# Altium PCB POWER.PcbDoc (part 2 of 2)
Units mm, origin at the board's own origin, x right, y up, seen from the top; angles counter-clockwise.
Board outline 100 x 45.99 mm, 4 copper layers (Top Layer, GND, Power, Bottom Layer), stack 1.548 mm thick; 81 components, 50 nets, 297 pads, 478 vias.
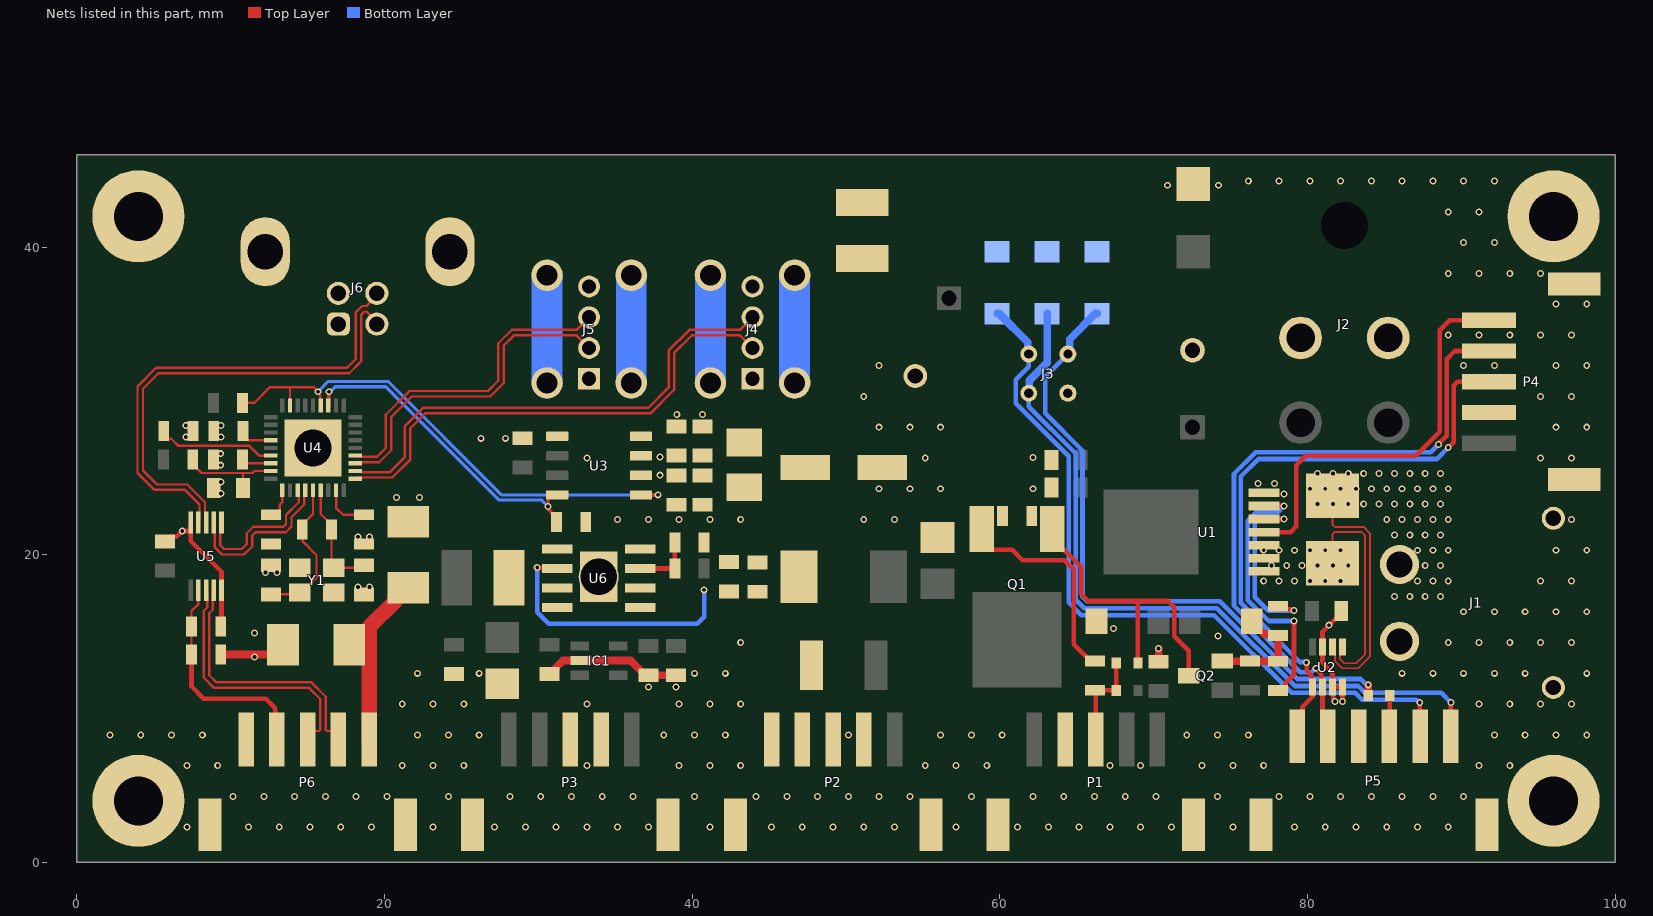
[diagram p4: the nets of this part, all layers, seen from the top]

## Via types
v1: diameter 0.45, hole 0.25, Top Layer to Bottom Layer, tented both sides, 283 vias
v2: diameter 0.45, hole 0.25, Top Layer to Bottom Layer, 195 vias

## Nets (pads, with @x,y where several pads share a name; then routed paths per layer and width w, separated by ;. In a path a pad name is that pad's centre, name@x,y a point inside that pad or via, vN(x,y) a via of type N, cw(c..) or ccw(c..) an arc to the next point about the centre after c; other vN are vias at no path point) (continued)
GND: C1.2 C2.2 C3.2 C4.2 C5.2 C6.2 C7.2 C8.2 C9.2 C10.2 C11.2 C12.2 C13.2 C14.2 C15.1 C16.1 C17.1 C18.1 C19.2 C20.2 C21.2 C22.2 C23.2 C24.2 C25.2 D1.2 D4.2 D5.2 D7.2 D8.2 D9.2 IC1.2 J1.2 J1.3 J1.4 J2.3 J2.4 J3.1 J4.4 J5.4 J6.4 P1.2 P1.MP1 P1.MP2 P2.3 P2.4 P2.MP1 P2.MP2 P3.3 P3.4 P3.MP1 P3.MP2 P4.2 P4.MP1 P4.MP2 P5.3 P5.MP1 P5.MP2 P6.1 P6.MP1 P6.MP2 pad. Q2.2 R2.1 R3.1 R6.1 R7.1 R10.1 R11.1 R13.1 R14.1 R15.1 R17.1 R19.2 U1.7 U2.3 U2.7 U2.8 U3.1 U4.37 U5.5 U5.10 U6.4 U6.5 U6.8 U6.9 Y1.2 Y1.4 | length 35.3
  Top Layer w0.3: C18.1@5.725,20.875 6.025,21.175 6.475,21.175 v1(6.85,21.55) U5.10@7.4,21.55 ; U5.10@7.4,22.1 U5.10@7.4,21.55 ; R17.1@9.35,15.35 9.4,15.4 U5.5@9.4,17.7 9.4,18.9 7.4,20.9 U5.10@7.4,21.55 ; v1(81.8,10.475) 81.675,10.6 81.675,11.35 U2.7@81.625,11.4 ; C1.2@82.2,16.35 82.2,16.15 81.9,15.85 81.825,15.85 80.975,15 U2.3@80.975,14 80.975,12.987 81.625,12.337 U2.7@81.625,11.4 ; v1(82.275,10.475) U2.8@82.275,11.4 U2.7@81.625,11.4
  Top Layer w0.5: C2.2@30.725,12.25 30.925,12.25 31.125,12.45 31.125,12.65 31.6,13.125 IC1.2@32.7,13.125 36,13.125 36.95,12.175 C4.2@37.15,12.175 C3.2@38.95,12.175 ; C8.2@70.325,13.05 v1(70.325,13.9) ; Q2.2@74.475,13.1 74.487,13.088 78.087,13.088 R3.1@78.1,13.075 R2.1@78.1,14.75 78,14.85 77.19,14.85 76.935,15.105 76.815,15.105 76.365,15.555 D4.2@76.365,15.675
  other v1: 37.15,11.4 38.95,11.4 74.175,14.725 67.4,15.2 81.4,15.425 18.267,17.9 19.017,17.9 12.258,18.85 13.008,18.85 18.267,21.175 19.017,21.175 78.475,23.95 9.375,23.983 76.775,24.625 77.85,24.625 9.375,24.733 9.35,25.825 62.15,26.325 9.35,26.575 26.275,27.575 27.875,27.575 7.075,27.65 9.375,27.667 7.075,28.4 9.375,28.417 39,29.125 40.675,29.125 70.9,44.025 74.225,44.025
  other v2: 7.154,2.297 11.154,2.297 13.154,2.297 15.154,2.297 17.154,2.297 19.154,2.297 23.154,2.297 27.154,2.297 29.154,2.297 31.154,2.297 33.154,2.297 35.154,2.297 37.154,2.297 41.154,2.297 45.154,2.297 47.154,2.297 49.154,2.297 51.154,2.297 53.154,2.297 57.154,2.297 61.154,2.297 63.154,2.297 65.154,2.297 67.154,2.297 69.154,2.297 71.154,2.297 75.154,2.297 79.154,2.297 81.154,2.297 83.154,2.297 85.154,2.297 87.154,2.297 89.154,2.297 10.154,4.297 12.154,4.297 14.154,4.297 16.154,4.297 18.154,4.297 20.154,4.297 24.154,4.297 28.154,4.297 30.154,4.297 32.154,4.297 34.154,4.297 36.154,4.297 40.154,4.297 44.154,4.297 46.154,4.297 48.154,4.297 50.154,4.297 52.154,4.297 54.154,4.297 58.154,4.297 62.154,4.297 64.154,4.297 66.154,4.297 68.154,4.297 70.154,4.297 74.154,4.297 78.154,4.297 80.154,4.297 82.154,4.297 84.154,4.297 86.154,4.297 88.154,4.297 90.154,4.297 7.154,6.297 9.154,6.297 21.154,6.297 23.154,6.297 25.154,6.297 33.154,6.297 39.154,6.297 41.154,6.297 43.154,6.297 55.154,6.297 57.154,6.297 59.154,6.297 67.154,6.297 69.154,6.297 73.154,6.297 75.154,6.297 77.154,6.297 91.154,6.297 93.154,6.297 2.154,8.297 4.154,8.297 6.154,8.297 8.154,8.297 22.154,8.297 24.154,8.297 26.154,8.297 38.154,8.297 40.154,8.297 42.154,8.297 50.154,8.297 56.154,8.297 58.154,8.297 60.154,8.297 72.154,8.297 74.154,8.297 76.154,8.297 92.154,8.297 94.154,8.297 96.154,8.297 98.154,8.297 21.154,10.297 23.154,10.297 25.154,10.297 33.154,10.297 39.154,10.297 41.154,10.297 43.154,10.297 91.154,10.297 93.154,10.297 95.154,10.297 97.154,10.297 22.154,12.297 26.154,12.297 40.154,12.297 42.154,12.297 86.154,12.297 88.154,12.297 90.154,12.297 92.154,12.297 94.154,12.297 98.154,12.297 43.154,14.297 89.154,14.297 91.154,14.297 93.154,14.297 95.154,14.297 97.154,14.297 90.154,16.297 92.154,16.297 94.154,16.297 96.154,16.297 98.154,16.297 95.154,18.297 97.154,18.297 96.154,20.297 98.154,20.297 35.154,22.297 37.154,22.297 39.154,22.297 41.154,22.297 43.154,22.297 51.154,22.297 53.154,22.297 97.154,22.297 52.154,24.297 54.154,24.297 56.154,24.297 62.154,24.297 33.154,26.297 55.154,26.297 95.154,26.297 97.154,26.297 52.154,28.297 54.154,28.297 56.154,28.297 96.154,28.297 98.154,28.297 51.154,30.297 95.154,30.297 97.154,30.297 52.154,32.297 90.154,32.297 92.154,32.297 96.154,32.297 98.154,32.297 89.154,34.297 91.154,34.297 93.154,34.297 95.154,34.297 97.154,34.297 96.154,36.297 98.154,36.297 89.154,38.297 91.154,38.297 93.154,38.297 95.154,38.297 90.154,40.297 92.154,40.297 89.154,42.297 91.154,42.297 76.154,44.297 78.154,44.297 80.154,44.297 82.154,44.297 84.154,44.297 86.154,44.297 88.154,44.297 90.154,44.297 92.154,44.297
KEY_DASH: D9.1 J3.4 P5.6 | length 49.7
  Top Layer w0.3: P5.6@89.325,8.2 v1(89.325,10.4)
  Bottom Layer w0.3: J3.4@61.885,30.51 61.885,29.626 64.925,26.586 64.925,17.089 65.489,16.525 74.111,16.525 79.161,11.475 83.283,11.475 83.733,11.025 88.7,11.025 v1(89.325,10.4)
  Bottom Layer w0.5: J3.4@61.885,30.51 61.904,30.529 61.904,31.329 63.075,32.5 D9.1@63.075,35.685
KEY_DOT: D8.1 J3.3 P5.5 | length 49.2
  Top Layer w0.3: v1(87.3,10.4) 87.3,8.225 P5.5@87.325,8.2
  Bottom Layer w0.3: J3.3@61.885,33.05 61.885,32.235 61.035,31.385 61.035,29.84 64.475,26.4 64.475,16.902 65.302,16.075 73.925,16.075 78.975,11.025 83.096,11.025 83.546,10.575 87.084,10.575 87.259,10.4 v1(87.3,10.4)
  Bottom Layer w0.5: D8.1@59.825,35.685 59.945,35.685 61.813,33.817 61.813,33.122 J3.3@61.885,33.05
NetC15_2: C15.2 R9.2 U4.33 Y1.1 | length 7.4
  Top Layer w0.153: U4.33@15.85,24.2 15.85,22.65 16.55,21.95 R9.2@16.55,21.65 16.55,19.3 Y1.1@16.7,19.15 18.475,19.15 C15.2@18.65,19.325
NetC16_2: C16.2 R9.1 U4.32 Y1.3 | length 9.8
  Top Layer w0.153: C16.2@12.625,17.425 14.375,17.425 Y1.3@14.5,17.55 14.6,17.55 15.575,18.525 15.575,19.975 14.69,20.86 14.69,21.61 R9.1@14.65,21.65 14.65,21.95 15.35,22.65 U4.32@15.35,24.2
NetC17_2: C17.2 R12.1 U4.26 | length 6.7
  Top Layer w0.153: R12.1@7.525,26.192 7.525,25.892 8.102,25.315 10.76,25.315 ; C17.2@10.8,24.35 10.8,25.275 10.76,25.315 ; U4.26@12.6,25.45 11.55,25.45 11.415,25.315 10.76,25.315
NetC22_1: C22.1 C24.1 C25.1 L1.2 U6.1 U6.2 U6.6 | length 17.3
  Top Layer w0.3: v1(29.925,19.175) 29.954,19.146 31.189,19.146 U6.6@31.225,19.11
  Bottom Layer w0.3: v1(29.925,19.175) 29.925,16.275 30.675,15.525 40.339,15.525 40.775,15.961 v1(40.775,17.725)
NetD2_2: D2.2 Q1.1 Q2.3 R5.1 | length 20.5
  Top Layer w0.3: Q1.1@63.415,21.675 63.415,21.079 65.275,19.219 65.275,17.476 65.751,17 68.975,17 ; D2.2@69.125,12.825 D2.2@68.975,12.975 68.975,17 ; Q2.3@72.275,12.15 72.275,13.775 71.335,14.715 71.335,16.599 70.934,17 68.975,17
NetD6_1: D6.1 D7.1 J3.2 | length 42.8
  Top Layer w0.3: D6.1@83.8,10.7 D6.1@83.95,10.85
  Top Layer w0.5: D6.1@83.95,10.85 v1(83.95,11.55)
  Top Layer w1: J3.2@64.425,33.023 J3.2@64.425,33.05
  Bottom Layer w0.3: J3.2@64.425,33.05 62.95,31.575 62.95,29.198 65.375,26.773 65.375,17.275 65.675,16.975 74.298,16.975 79.348,11.925 83.469,11.925 83.769,11.625 83.834,11.625 83.909,11.55 v1(83.95,11.55)
  Bottom Layer w0.5: J3.2@64.425,33.05 64.54,33.165 64.54,34.02 66.205,35.685 D7.1@66.325,35.685
NetF1_2: F1.2 P2.1 P2.2
NetF2_2: F2.2 Q1.3 R4.2 R5.2 | length 14.2
  Top Layer w0.3: Q1.3@58.835,21.675 58.835,20.975 59.485,20.325 60.8,20.325 61.475,19.65 64.2,19.65 64.8,19.05 64.8,14.175 65.875,13.1 R4.2@66.175,13.1
NetL2_1: L2.1 U6.7
NetP6_2: P6.2 R16.1 R17.2 U5.2 | length 14.5
  Top Layer w0.153: R16.1@7.45,13.525 R17.2@7.45,15.35 7.45,16.35 7.9,16.8 U5.2@7.9,17.7
  Top Layer w0.3: R16.1@7.45,13.525 7.45,11.45 8.25,10.65 12.275,10.65 12.901,10.024 12.901,8.099 P6.2@13,8
NetR2_2: R2.2 U1.5 | length 12.2
  Top Layer w0.3: U1.5@77.178,22.325 v1(78.475,22.325) ; R2.2@78.1,16.65 78.3,16.45 79.009,16.45 79.084,16.375 v1(79.125,16.375)
  Bottom Layer w0.3: v1(78.475,22.325) 76.861,22.325 76.575,22.039 76.575,17.243 77.443,16.375 v1(79.125,16.375)
NetR3_2: R3.2 U1.6 | length 17.9
  Top Layer w0.3: U1.6@77.178,23.175 v1(78.475,23.175) ; R3.2@78.1,11.175 78.4,11.175 78.6,11.375 78.6,11.675 79.125,12.2 v1(79.125,15.7)
  Bottom Layer w0.3: v1(78.475,23.175) 78.075,22.775 76.675,22.775 76.125,22.225 76.125,17.057 77.482,15.7 v1(79.125,15.7)
NetR10_2: R10.2 U4.35 | length 3.1
  Top Layer w0.153: U4.35@16.85,24.2 16.85,23.05 17.3,22.6 R10.2@18.65,22.6
NetR11_2: R11.2 U4.25 | length 1.9
  Top Layer w0.153: R11.2@10.775,26.192 11.017,25.95 U4.25@12.6,25.95
NetR13_2: R13.2 U4.24 | length 7.7
  Top Layer w0.153: R13.2@5.65,28.033 5.65,27.817 5.923,27.543 6.14,27.543 6.583,27.1 11.187,27.1 11.837,26.45 U4.24@12.6,26.45
NetR14_2: R14.2 U4.22 | length 2.2
  Top Layer w0.153: R14.2@10.8,28.033 10.8,27.733 11.083,27.45 U4.22@12.6,27.45
NetR15_2: R15.2 U4.28 | length 2.1
  Top Layer w0.153: R15.2@12.625,22.6 12.925,22.6 13.199,22.874 13.199,23.274 13.35,23.426 U4.28@13.35,24.2
NetR18_2: R18.2 R19.1 U6.3 | length 4
  Top Layer w0.3: U6.3@36.625,19.11 38.865,19.11 R18.2@38.875,19.1 R19.1@38.875,20.8
PA_CUR_N: J1.1 R1.2 U2.2 | length 16.3
  Top Layer w0.122: U2.2@81.625,14 81.787,13.838 81.787,13.102 82.265,12.625 83.3,12.625 84.075,13.4 84.075,21.385 83.98,21.48 83.648,21.813 81.775,21.813 81.625,21.963 R1.2@81.625,23.85
  other v1: 85.654,17.297 86.654,17.297 87.654,17.297 88.654,17.297 87.154,18.297 88.154,18.297 89.154,18.297 87.654,19.297 88.654,19.297 87.154,20.297 88.154,20.297 89.154,20.297 85.654,21.297 86.654,21.297 87.654,21.297 88.654,21.297 85.154,22.297 86.154,22.297 87.154,22.297 88.154,22.297 89.154,22.297 80.654,23.297 81.654,23.297 82.654,23.297 83.654,23.297 84.654,23.297 85.654,23.297 86.654,23.297 87.654,23.297 88.654,23.297 80.154,24.297 81.154,24.297 82.154,24.297 83.154,24.297 84.154,24.297 85.154,24.297 86.154,24.297 87.154,24.297 88.154,24.297 89.154,24.297 80.654,25.297 81.654,25.297 82.654,25.297 83.654,25.297 84.654,25.297 85.654,25.297 86.654,25.297 87.654,25.297 88.654,25.297
PA_CUR_P: R1.1 U1.1 U1.2 U1.3 U2.1 | length 14.7
  Top Layer w0.122: R1.1@81.625,19.45 81.625,21.337 81.775,21.487 83.513,21.487 83.75,21.25 83.75,13.535 83.165,12.95 82.4,12.95 82.113,13.237 82.113,13.838 U2.1@82.275,14
  other v1: 77.154,18.297 78.154,18.297 79.154,18.297 80.154,18.297 81.154,18.297 82.154,18.297 77.654,19.297 78.654,19.297 79.654,19.297 80.654,19.297 81.654,19.297 82.654,19.297 77.154,20.297 78.154,20.297 79.154,20.297 80.154,20.297 81.154,20.297 82.154,20.297
PA_CURRENT_SCL: P4.3 P5.1 U2.5 | length 40.3
  Top Layer w0.3: P5.1@79.325,8.2 79.675,8.55 79.675,10.125 80.325,10.775 U2.5@80.325,11.4 80.25,11.475 80.25,12.175 79.954,12.471 79.954,12.971 v1(79.925,13) ; v1(89.15,26.975) 89.5,27.325 89.5,31 89.75,31.25 P4.3@91.8,31.25
  Bottom Layer w0.3: v1(79.925,13) 79.954,13.029 79.517,13.029 75.675,16.871 75.675,25.089 76.811,26.225 88.4,26.225 v1(89.15,26.975)
PA_CURRENT_SDA: P4.4 P5.2 U2.6 | length 43.4
  Top Layer w0.3: v1(80.55,12.625) 80.55,12.584 80.9,12.234 80.9,11.475 U2.6@80.975,11.4 80.975,8.55 P5.2@81.325,8.2 ; v1(88.509,27.166) 88.509,27.207 89.05,27.748 89.05,32.724 89.576,33.25 P4.4@91.8,33.25
  Bottom Layer w0.3: v1(80.55,12.625) 80.509,12.625 80.259,12.375 79.534,12.375 75.225,16.684 75.225,25.275 76.625,26.675 88.017,26.675 v1(88.509,27.166)
PA_POWER_ON: P4.5 U1.4 | length 26.5
  Top Layer w0.3: U1.4@77.178,21.475 78.9,21.475 79.275,21.85 79.275,25.825 79.9,26.45 87.05,26.45 88.6,28 88.6,34.599 89.251,35.25 P4.5@91.8,35.25
POWER_SW: D2.1 D3.1 P1.3 R4.1 | length 6.4
  Top Layer w0.3: R4.1@66.175,11.2 R4.1@66.188,11.188 ; P1.3@66.244,8 66.244,11.131 R4.1@66.188,11.188 ; D2.1@67.575,12.975 D3.1@67.575,11.175 67.562,11.188 R4.1@66.188,11.188
PTT: D6.2 P5.4 | length 2.7
  Top Layer w0.3: P5.4@85.325,8.2 85.35,8.225 D6.2@85.35,10.85
SHIELD: C19.1 J4.5 J4.6 J4.7 J4.8 J5.5 J5.6 J5.7 J5.8 J6.5 J6.6 | length 28
  Bottom Layer w2: J5.6@30.565,31.175 J5.8@30.565,38.175 ; J5.5@36.035,31.175 J5.7@36.035,38.175 ; J4.6@41.19,31.175 J4.8@41.19,38.175 ; J4.5@46.66,31.175 J4.7@46.66,38.175
USB_HUB_EN: R7.2 U3.4 U4.12 | length 21
  Top Layer w0.2: U4.12@16.35,29.7 16.375,29.725 16.375,30.575 v1(16.4,30.6) ; R7.2@31.175,22.125 31.175,22.425 30.673,22.927 30.673,23.102 v1(30.625,23.15) 30.638,23.163 30.638,23.695 30.838,23.895 U3.4@31.225,23.895
  Bottom Layer w0.2: v1(16.4,30.6) 16.468,30.6 16.793,30.925 20.075,30.925 27.45,23.55 30.225,23.55 v1(30.625,23.15)
USB_HUB_FAULT: R8.2 U3.5 U4.13 U4.17 | length 34.2
  Top Layer w0.153: R8.2@10.775,29.875 11.525,29.875 12.55,30.9 13.85,30.9 ; U4.17@13.85,29.7 13.85,30.9 ; U4.13@15.85,29.7 15.815,29.735 15.815,30.38 15.675,30.52 v1(15.675,30.6) 15.375,30.9 13.85,30.9
  Top Layer w0.2: U3.5@36.675,23.895 36.677,23.897 37.772,23.897 v1(37.775,23.9)
  Bottom Layer w0.2: v1(15.675,30.6) 16.35,31.275 20.22,31.275 27.595,23.9 v1(37.775,23.9)
USB_N: P6.4 U5.4 | length 17.1
  Top Layer w0.153: U5.4@8.9,17.7 8.828,17.628 8.828,16.424 8.602,16.198 8.602,12.173 9.069,11.706 15.244,11.706 16.178,10.772 16.178,8.638 16.268,8.548 16.577,8.548 17,8.124 P6.4@17,8
USB_P: P6.3 U5.3 | length 17.1
  Top Layer w0.153: U5.3@8.4,17.7 8.472,17.628 8.472,16.572 8.246,16.346 8.246,12.025 8.921,11.35 15.096,11.35 15.822,10.624 15.822,8.638 15.732,8.548 15.423,8.548 15,8.124 P6.3@15,8
USB_VBUS: D10.1 D11.1 P6.5 | length 11.1
  Top Layer w1: P6.5@19,8 19,15.3 20.7,17 20.7,17.325 21.225,17.85 D10.1@21.55,17.85
USBD_N: J6.2 U5.8 | length 31
  Top Layer w0.153: U5.8@8.4,22.1 8.328,22.172 8.328,23.422 7.175,24.575 5.2,24.575 4.3,25.475 4.3,30.8 5.3,31.8 17.704,31.8 18.475,32.571 18.475,35.6 18.697,35.822 18.824,35.822 19.5,35.146 J6.2@19.5,35
USBD_P: J6.3 U5.9 | length 31.6
  Top Layer w0.153: U5.9@7.9,22.1 7.972,22.172 7.972,23.274 7.027,24.219 5.052,24.219 3.944,25.327 3.944,30.948 5.152,32.156 17.556,32.156 18.119,32.719 18.119,35.748 18.549,36.178 18.824,36.178 19.5,36.854 J6.3@19.5,37
USBD_VBUS: D11.2 J6.1 R16.2 | length 4.3
  Top Layer w0.153: D11.2@12.775,13.525 D11.2@13.4,14.15
  Top Layer w0.5: R16.2@9.35,13.525 D11.2@12.775,13.525
  other v1: 11.55,13.35 11.55,14.925
USBH1_N: J4.2 U4.1 | length 32.6
  Top Layer w0.153: U4.1@18.1,24.95 18.163,25.013 18.555,25.013 18.563,25.022 20.501,25.022 21.681,26.202 21.681,28.227 22.648,29.194 37.294,29.194 38.825,30.725 38.825,33.125 39.967,34.267 43.103,34.267 J4.2@43.925,33.445
USBH1_P: J4.3 U4.2 | length 32.6
  Top Layer w0.153: U4.2@18.1,25.45 18.163,25.387 18.555,25.387 18.563,25.378 20.353,25.378 21.325,26.35 21.325,28.375 22.5,29.55 37.146,29.55 38.469,30.873 38.469,33.273 39.819,34.623 43.103,34.623 J4.3@43.925,35.445
USBH2_N: J5.2 U4.3 | length 21.7
  Top Layer w0.153: U4.3@18.1,25.95 18.163,26.013 18.555,26.013 18.563,26.022 19.651,26.022 20.431,26.802 20.431,28.952 21.773,30.294 26.873,30.294 27.75,31.171 27.75,33.6 28.417,34.267 32.478,34.267 J5.2@33.3,33.445
USBH2_P: J5.3 U4.4 | length 21.7
  Top Layer w0.153: U4.4@18.1,26.45 18.163,26.387 18.555,26.387 18.563,26.378 19.503,26.378 20.075,26.95 20.075,29.1 21.625,30.65 26.725,30.65 27.394,31.319 27.394,33.748 28.269,34.623 32.478,34.623 J5.3@33.3,35.445
USBH_N: U4.30 U5.6 | length 9.5
  Top Layer w0.153: U5.6@9.4,22.1 9.328,22.028 9.328,20.622 9.573,20.377 10.723,20.377 11.044,20.698 11.044,21.398 11.471,21.825 13.425,21.825 13.594,21.994 13.594,22.591 14.422,23.419 14.422,23.737 14.413,23.745 14.413,24.137 U4.30@14.35,24.2
USBH_P: U4.31 U5.7 | length 10.7
  Top Layer w0.153: U5.7@8.9,22.1 8.972,22.028 8.972,20.474 9.425,20.021 10.871,20.021 11.4,20.55 11.4,21.25 11.619,21.469 13.573,21.469 13.95,21.846 13.95,22.443 14.778,23.271 14.778,23.737 14.787,23.745 14.787,24.137 U4.31@14.85,24.2
VBUS: C10.1 C11.1 C12.1 C13.1 C14.1 D10.2 J4.1 J5.1 U3.6 U3.7 U3.8
  other v1: 20.775,23.725 22.275,23.725 37.9,25.175 37.9,26.35
pads on no net: IC1.4 J2.5 P2.5 P3.5 U4.6 U4.7 U4.8 U4.9 U4.11 U4.14 U4.16 U4.18 U4.19 U4.20 U4.21 U4.34

## Polygon pours and split planes (outlines as drawn)
GND on Top Layer "GND_L01_P039" (solid, pour order 39): 0,9.775 20.025,9.775 20.025,12.7 23.85,12.7 39.6,12.625 44.975,12.625 44.975,9.775 84.654,9.775 84.654,41.996 83.9,42.75 70.35,42.75 70.35,46 100,46 100,0 0,0
GND on Top Layer "GND_L01_P026" (solid, pour order 26): 11.975,21.05 11.975,18.875 15.175,18.875 15.175,19.75 14.575,19.75 cw(c14.575,21.05) 13.275,21.05
GND on Top Layer "GND_L01_P014" (solid, pour order 14): 38.325,23.7 42,23.7 42.225,23.925 42.225,25.3 44.9,25.3 44.9,19.05 44.875,19.075 41.75,19.075 41.75,20.25 40.432,20.25 40.432,21.947 38.097,21.947 37.625,21.475 37.625,20.075 35.148,20.075 35.152,16.275 30.225,16.275 30.225,16.875 32.725,16.875 32.718,20.075 30.225,20.075 30.225,20.975 32.725,20.975 32.718,27.243 29.8,27.25 29.625,27.125 25.9,27.125 25.9,28.025 35.071,28.025 35.075,22.975 35.3,22.775 37.27,22.775
+5V on Top Layer "+5V_L01_P013" (solid, pour order 13): 25.7,16.5 25.7,20.9 26.05,21.25 29.525,21.25 29.725,21.45 29.725,24.1 30.5,24.875 31.925,24.875 31.95,24.9 31.95,26.725 29.625,26.725 29.625,26.125 24.175,26.125 23.7,25.65 23.7,16.5
NetC22_1 on Top Layer "NETC22_1_L01_P009" (solid, pour order 9): 35.625,17.95 44.8,17.95 45.75,18.9 45.75,26.65 49,26.65 49,16.65 48.625,16.275 35.625,16.275
+13.8V_IN on Top Layer "+13.8V_IN_L01_P000" (solid, remove dead copper, pour order 0): 55.125,41.75 88.05,41.75 88.05,26.975 77.395,26.975 75.55,25.071 75.55,17.65 66.025,17.65 66.025,23.725 64.8,23.725 64.8,26.825 66.025,26.825 66.025,38.125 65.6,38.55 58.9,38.55 58.475,38.125 58.475,35.05 55.125,35.05
GND on Top Layer "GND_L01_P020" (solid, pour order 20): 39.6,12.625 39.6,11.325 cw(c39.3,11.325) 39.3,11.025 36.75,11.025 cw(c36.775,11.3) 36.5,11.325 36.5,12.625
VBUS on Top Layer "VBUS_L01_P008" (solid, pour order 8): 35.95,24.7 41.325,24.7 41.725,25.1 41.725,25.8 41.85,25.925 44.55,25.925 44.55,28.175 44.525,28.2 42.225,28.2 42.225,27.8 41.325,26.9 38.325,26.9 37.4,27.825 37.4,28.025 35.95,28.025
PA_CUR_N on Top Layer "PA_CUR_N_L01_P002" (solid, remove dead copper, pour order 2): 79.9,25.794 93.5,25.794 93.5,17.075 84.525,17.075 84.525,22.4 79.9,22.4
PA_CUR_P on Top Layer "PA_CUR_P_L01_P031" (solid, pour order 31): 76.175,20.9 83.325,20.9 83.325,17.5 76.55,17.5 76.175,17.875
PA_CUR_N on Top Layer "PA_CUR_N_L01_P029" (solid, remove dead copper, pour order 29): 79.9,25.794 89.675,25.794 89.675,17.075 84.525,17.075 84.525,22.4 79.9,22.4
GND on Top Layer "GND_L01_P042" (solid, pour order 42): 63.8,26.825 63.8,23.725 62.4,23.725 cw(c62.4,24.375) 61.75,24.375 61.75,26.2 cw(c62.375,26.2) 62.375,26.825
GND on Top Layer "GND_L01_P041" (solid, pour order 41): 49.35,40.125 52.775,40.125 52.775,33.9 52.775,29.1 53.175,28.7 56.6,28.7 57.05,28.25 57.05,25.85 50.75,25.85 49.35,27.25
NetF1_2 on Top Layer "NETF1_2_L01_P006" (solid, pour order 6): 47.65,6.25 47.65,10.425 48.5,11.225 48.5,14.425 45.175,14.425 44.675,13.925 44.675,6.25
+13.8 on Top Layer "+13.8_L01_P004" (solid, pour order 4): 51.2,20.275 53.95,20.275 53.95,19.527 54.521,19 64.15,19 64.15,11.225 62.725,9.75 62.725,6.225 61.75,6.225 61.75,9.9 60.425,11.225 51.2,11.225
NetD2_2 on Top Layer "NETD2_2_L01_P005" (solid, pour order 5): 61.725,23.175 61.725,20.475 62.025,20.175 64.2,20.175 64.2,23.175
NetF2_2 on Top Layer "NETF2_2_L01_P007" (solid, pour order 7): 53.375,33.2 59.375,33.2 60.525,32.05 60.525,20.175 57.95,20.175 57.95,28.55 57.2,29.3 53.625,29.3 53.375,29.55
+5V on Top Layer "+5V_L01_P010" (solid, pour order 10): 31.375,13.775 24.025,13.775 23.7,14.1 23.7,20.3 25.7,20.3 25.7,16.5 26.575,15.625 31.15,15.625 31.375,15.4
NetL2_1 on Top Layer "NETL2_1_L01_P011" (solid, pour order 11): 32.225,18.15 29.875,18.15 29.1,18.925 29.1,20.3 27.1,20.3 27.1,16.7 29.05,16.7 29.875,17.525 32.225,17.525
GND on Top Layer "GND_L01_P012" (solid, pour order 12): 49.925,26.675 56.625,26.675 57.05,26.25 57.05,20.125 54.85,20.125 54.85,21.45 54.5,21.8 50.2,21.8 49.925,22.075
VBUS on Top Layer "VBUS_L01_P015" (solid, pour order 15): 42.875,32.15 44.9,32.15 44.9,25.925 42.225,25.925 42.225,29.475 42.875,30.125
GND on Top Layer "GND_L01_P017" (solid, pour order 17): 23.85,12.7 31.375,12.7 31.375,11.625 31.8,11.2 34.875,11.2 35,11.075 35,6.25 32,6.25 32,9.725 31.45,10.275 29.125,10.275 28.75,10.65 26.3,10.65 25.15,11.8 23.85,11.8
SHIELD on Top Layer "SHIELD_L01_P018" (solid, pour order 18): 10.575,46 10.575,38.275 11.45,37.4 12.975,37.4 14.15,38.575 22.25,38.575 23.4,37.425 29.5,37.425 29.8,37.125 31.3,37.125 31.775,37.6 31.775,38.625 34.85,38.625 34.85,37.625 35.35,37.125 41.775,37.125 42.275,37.625 42.275,38.625 45.475,38.625 45.475,37.625 45.975,37.125 47.2,37.125 47.85,37.775 47.85,41.725 48.175,42.05 52.75,42.05 52.75,46
GND on Top Layer "GND_L01_P019" (solid, pour order 19): 38.325,27.9 38.325,29.2 cw(c38.625,29.2) 38.625,29.5 41.075,29.5 cw(c41.075,29.25) 41.325,29.25 41.325,27.9
VBUS on Top Layer "VBUS_L01_P023" (solid, pour order 23): 20.2,21.125 20.2,23.8 cw(c20.65,23.8) 20.65,24.25 22.5,24.25 cw(c22.5,23.85) 22.9,23.85 22.9,21.125
USBD_VBUS on Top Layer "USBD_VBUS_L01_P024" (solid, pour order 24): 14.425,15.5 11.45,15.5 ccw(c11.45,14.95) 10.9,14.95 10.9,13.275 ccw(c11.375,13.275) 11.375,12.8 14.425,12.8
GND on Top Layer "GND_L01_P027" (solid, pour order 27): 19.3,16.95 16,16.95 16,17.875 19.3,17.875
+3.3V on Top Layer "+3.3V_L01_P028" (solid, pour order 28): 34.6,14.525 41.575,14.525 41.575,13.625 34.6,13.625
GND on Top Layer "GND_L01_P033" (solid, pour order 33): 71,42.75 71,44.05 cw(c71.325,44.05) 71.325,44.375 74.275,44.375 cw(c74.275,44.1) 74.55,44.1 74.55,42.75
GND on Top Layer "GND_L01_P036" (solid, pour order 36): 65.575,16.5 67.4,16.5 cw(c67.4,16.15) 67.75,16.15 67.75,15.175 cw(c67.425,15.175) 67.425,14.85 65.575,14.85
NetF2_2 on Top Layer "NETF2_2_L01_P040" (solid, pour order 40): 60.525,23.175 60.525,20.475 60.225,20.175 57.95,20.175 57.95,23.175
GND on Bottom Layer "GND_L04_P034" (solid, pour order 34): 7.5,45.925 7.5,36.725 8.15,36.075 14.303,36.075 15.575,37.216 15.575,38.575 21.35,38.575 21.35,37.2 22.475,36.075 25.8,36.075 26.3,35.575 26.3,29.025 26.85,28.475 50.05,28.475 50.625,29.05 50.625,36.625 51.075,37.075 53.275,37.075 53.85,37.65 53.85,45.4 54.425,45.975 100,45.975 100,0 0,0 0,45.994 7.431,45.994
PA_CUR_N on Bottom Layer "PA_CUR_N_L04_P032" (solid, remove dead copper, pour order 32): 79.9,25.55 89.675,25.55 89.675,17.075 83.85,17.075 83.85,21.425 79.9,21.425
+13.8V_IN on Bottom Layer "+13.8V_IN_L04_P021" (solid, remove dead copper, pour order 21): 66.025,31.225 87.575,31.225 87.575,26.975 77.609,26.975 75.075,24.36 75.075,17.65 66.025,17.65
PA_CUR_P on Bottom Layer "PA_CUR_P_L04_P030" (solid, pour order 30): 76.175,20.9 83.325,20.9 83.325,18 76.275,18 76.175,18.1
+3.3V on Power (split plane): 99.49,0.51 0.51,0.51 0.51,45.484 99.49,45.484
USBD_VBUS on Power (split plane): 17.947,35.772 17.998,35.721 17.998,34.95 18.006,34.885 18.032,34.824 18.072,34.772 21.798,31.046 21.798,25.879 20.022,24.103 19.982,24.051 19.956,23.99 19.948,23.925 19.948,22.475 19.954,22.425 19.948,22.375 19.948,14.454 19.222,13.728 18.121,12.627 11.354,12.627 10.902,13.079 10.902,15.071 11.454,15.623 15.6,15.623 15.665,15.631 15.726,15.657 15.778,15.697 16.503,16.422 17.378,17.297 17.418,17.349 17.444,17.41 17.452,17.475 17.452,22.221 18.053,22.822 18.071,22.844 18.093,22.874 18.119,22.935 18.127,23 18.127,25.096 19.653,26.622 19.693,26.674 19.719,26.735 19.727,26.8 19.727,29.2 19.719,29.265 19.693,29.326 19.653,29.378 17.378,31.653 16.828,32.203 15.927,33.104 15.927,35.546 16.304,35.923 17.796,35.923
VBUS on Power (split plane): 34.248,32.121 34.248,30.125 34.256,30.06 34.282,29.999 34.322,29.947 34.797,29.472 34.849,29.432 34.91,29.406 34.975,29.398 42.25,29.398 42.315,29.406 42.376,29.432 42.428,29.472 42.878,29.922 42.901,29.951 42.918,29.974 42.926,29.992 42.944,30.035 42.952,30.1 42.952,32.021 43.129,32.198 44.771,32.198 44.898,32.071 44.898,27.975 44.898,25.079 44.897,25.078 44.171,24.352 26.575,24.352 26.51,24.344 26.449,24.318 26.397,24.278 25.372,23.253 24.846,22.727 20.452,22.727 20.452,23.821 22.228,25.597 22.268,25.649 22.294,25.71 22.302,25.775 22.302,26.623 30.825,26.623 30.89,26.631 30.951,26.657 31.003,26.697 31.878,27.572 31.901,27.601 31.918,27.624 31.926,27.642 31.944,27.685 31.952,27.75 31.952,32.071 32.104,32.223 34.146,32.223
PA_CUR_N on Power (split plane): 89.698,17.052 84.429,17.052 83.852,17.629 83.852,20.925 83.844,20.99 83.818,21.051 83.778,21.103 83.578,21.303 83.526,21.343 83.465,21.369 83.4,21.377 75.577,21.377 75.577,24.196 77.729,26.348 89.698,26.348
+13.8 on Power (split plane): 93.823,28.196 93.823,8.229 91.621,6.027 27.829,6.027 27.252,6.604 27.252,9.946 27.879,10.573 50.75,10.573 50.815,10.581 50.876,10.607 50.928,10.647 51.053,10.772 51.853,11.572 51.893,11.624 51.919,11.685 51.927,11.75 51.927,15.2 51.927,17.921 52.679,18.673 56.446,18.673 57.323,17.796 57.323,11.65 57.331,11.585 57.357,11.524 57.397,11.472 59.047,9.822 59.099,9.782 59.16,9.756 59.225,9.748 85.925,9.748 85.99,9.756 86.051,9.782 86.103,9.822 90.128,13.847 90.146,13.869 90.168,13.899 90.194,13.96 90.202,14.025 90.202,28.221 90.429,28.448 93.571,28.448
PA_CUR_P on Power (split plane): 83.348,20.821 83.348,17.777 75.577,17.777 75.577,20.873 83.296,20.873
+13.8V_IN on Power (split plane): 87.623,41.246 87.623,29.7 87.623,26.852 77.625,26.852 77.56,26.844 77.499,26.818 77.469,26.796 77.447,26.778 75.147,24.478 75.107,24.426 75.081,24.365 75.073,24.3 75.073,17.777 66.579,17.777 66.002,18.354 66.002,41.546 66.229,41.773 87.096,41.773
GND on GND (split plane): 99.49,0.51 0.51,0.51 0.51,45.484 99.49,45.484
+13.8V_IN on GND (split plane): 87.098,31.125 87.098,27.052 76.425,27.052 76.36,27.044 76.299,27.018 76.247,26.978 74.847,25.578 74.807,25.526 74.781,25.465 74.773,25.4 74.773,21.505 74.756,21.465 74.748,21.4 74.756,21.335 74.773,21.295 74.773,17.979 74.571,17.777 66.479,17.777 66.002,18.254 66.002,20.025 66.002,30.625 66.002,31.196 66.779,31.973 87.098,31.973
PA_CUR_N on GND (split plane): 89.648,26.146 89.648,18.225 89.648,17.254 89.296,16.902 84.504,16.902 83.882,17.525 84.003,17.647 84.021,17.669 84.043,17.699 84.069,17.76 84.077,17.825 84.077,21.125 84.069,21.19 84.043,21.251 84.003,21.303 83.728,21.578 83.676,21.618 83.615,21.644 83.55,21.652 75.277,21.652 75.277,25.296 76.529,26.548 89.246,26.548
PA_CUR_P on GND (split plane): 83.573,21.021 83.573,17.929 83.421,17.777 75.255,17.777 75.269,17.81 75.277,17.875 75.277,21.148 83.446,21.148

## Keep-outs
Keep-Out Layer:
  the board outline again, w0.254

## Other copper
Top Layer:
  rectangle net GND: 73.8,12.725 78.75,15.1
  region net +13.8: 93.55,26.25 93.55,28.25 90.05,28.25 90.05,26.25
  rectangle net +13.8: 27.6,6.25 30.6,9.75
  region net GND: 76.182,23.757 76.19,23.75 78.875,23.75 78.875,24.875 76.5,24.875 ccw(c76.5,24.55) 76.175,24.55 76.175,23.757
  region net NetR2_2: 76.175,22.6 78.875,22.6 78.875,22.05 76.175,22.05
  region net NetR3_2: 76.175,23.45 78.875,23.45 78.875,22.9 76.175,22.9
  region net PA_CUR_P: 76.175,20.9 83.325,20.9 83.325,17.5 76.55,17.5 76.175,17.875 76.175,20.9
Bottom Layer:
  region net +13.8: 90.025,28.25 93.55,28.25 93.55,26.25 90.025,26.25
  region net PA_CUR_P: 76.925,20.9 83.325,20.9 83.34,20.885 83.34,17.478 76.928,17.478 76.925,17.475
  pour cut-out: 76.331,23.473 79.886,23.473 79.9,23.487 79.9,21.425 76.325,21.425 76.325,23.468
GND (plane layer: these items are gaps in the copper):
  lines w0.5: 75,21.4 83.55,21.4 83.825,21.125 83.825,17.825 83.575,17.575 83.525,17.525 ; 86.675,26.8 89.35,26.8 89.9,26.25 89.9,18.225 89.9,17.15 89.4,16.65 84.4,16.65 83.525,17.525 ; 74.675,17.525 83.525,17.525 ; 74.675,17.525 75.025,17.875 75.025,25.4 76.425,26.8 87.35,26.8 87.35,31.125 87.35,32.225 66.675,32.225 65.75,31.3 65.75,30.625 65.75,20.025 65.75,18.15 66.375,17.525 74.675,17.525
Power (plane layer: these items are gaps in the copper):
  lines w0.5: 20.2,22.375 20.2,14.35 19.4,13.55 18.225,12.375 11.25,12.375 10.65,12.975 10.65,15.175 11.35,15.875 13.225,15.875 15.6,15.875 16.325,16.6 17.2,17.475 17.2,22.325 17.875,23 17.875,25.2 19.475,26.8 19.475,29.2 17.2,31.475 16.65,32.025 15.675,33 15.675,35.6 15.675,35.65 16.2,36.175 17.9,36.175 18.125,35.95 18.25,35.825 18.25,34.95 22.05,31.15 22.05,25.775 20.2,23.925 20.2,22.475 22.4,22.475 24.95,22.475 25.55,23.075 26.575,24.1 34.55,24.1 44.275,24.1 45.075,24.9 45.15,24.975 45.15,27.975 45.15,32.175 44.875,32.45 43.025,32.45 42.7,32.125 42.7,30.1 42.25,29.65 34.975,29.65 34.5,30.125 34.5,32.225 34.25,32.475 32,32.475 31.7,32.175 31.7,27.75 30.825,26.875 22.05,26.875 ; 74.8,17.525 83.6,17.525 ; 75.325,21.15 75.35,21.125 79.675,21.125 83.4,21.125 83.6,20.925 83.6,17.525 ; 89.925,26.6 87.875,26.6 ; 89.95,16.8 84.325,16.8 83.6,17.525 ; 87.875,26.6 87.875,29.7 87.875,41.35 87.2,42.025 66.125,42.025 65.75,41.65 65.75,18.25 66.475,17.525 75.325,17.525 75.325,24.3 77.625,26.6 87.875,26.6 ; 27,6.5 27.725,5.775 91.725,5.775 94.075,8.125 94.075,28.3 93.675,28.7 90.325,28.7 89.95,28.325 89.95,14.025 85.925,10 65.9,10 59.225,10 57.575,11.65 57.575,17.9 56.55,18.925 52.575,18.925 51.675,18.025 51.675,15.2 51.675,11.75 50.875,10.95 50.75,10.825 27.775,10.825 27,10.05 27,6.5

## Silkscreen, mask and mechanical layers (free items; w line width, h text height)
Top Overlay:
  drawing of 3256 lines, arcs and shapes, not listed
  text "PA" at 91.825,39 h1.6 r90
  text "+" at 99.208,22.375 h2 r90
  text "POWER+USBHUB-rev.1.0.0" at 2.325,13.025 h1.2 r90
  text "-" at 99.275,10.025 h2 r90
  text "PA" at 90.85,9.425 h1.6
  text "USB" at 2.675,8.2 h1.6
  text "BPF" at 24.3,0.725 h1.6 r90
  text "MB" at 41.425,0.725 h1.6 r90
  text "FU-P" at 58.5,0.725 h1.6 r90
  text "FU-C" at 75.6,0.725 h1.6 r90
Bottom Overlay:
  text "WPUD0922R100" at 81.05,3.075 h3
Top Solder:
  region: 79.9,22.4 84.525,22.4 84.525,17.075 93.5,17.075 93.5,25.794 79.9,25.794
  region: 83.325,20.9 83.325,17.5 76.55,17.5 76.175,17.875 76.175,20.9
Bottom Solder:
  region: 66.025,31.225 87.575,31.225 87.575,27.308 76.455,27.308 74.592,25.445 74.569,17.65 66.031,17.65
  region: 76.925,20.885 83.34,20.885 83.34,17.478 76.925,17.478
  region: 79.9,25.55 89.675,25.55 89.675,17.075 83.85,17.075 83.85,21.425 79.9,21.425

## Dimensions
0,46 to 0,0 on Mechanical 1
47.65,50 to 58.055,52.5 on Mechanical 1
64.425,37.5 to 82.364,49.887 on Mechanical 1
43.925,50.1 to 61.885,37.5 on Mechanical 1
33.3,50.1 to 43.925,50.1 on Mechanical 1
18.3,50 to 33.3,50.1 on Mechanical 1
0,46 to 40.2,50 on Mechanical 1
100,0 to 84.654,9.775 on Mechanical 1
0,5.025 to 15,0.95 on Mechanical 1
4,4 to 0,0 on Mechanical 1
4,42 to 4,4 on Mechanical 1
0,46 to 10.858,50 on Mechanical 1
0,46 to 76.375,50 on Mechanical 1
96,42 to 100,46 on Mechanical 1
96,42 to 100,46 on Mechanical 1
4,42 to 0,46 on Mechanical 1
4,42 to 0,46 on Mechanical 1
0,46 to 100,46 on Mechanical 1

## Text inside footprints (layer, text, board x,y; h text height)
C5: Top Overlay "+" at 75.775,27.8 h1.5 r90
J3: Top Overlay "1" at 63.925,31.01 h1.26 r90; Top Overlay "2" at 63.925,33.558 h1.26 r90; Top Overlay "3" at 61.377,33.558 h1.26 r90; Top Overlay "4" at 61.377,31.01 h1.26 r90
U1: Top Overlay "*" at 77.813,17.547 h1.27 r90; Mechanical 13 "*" at 74.905,18.607 h1.27 r90